# KiCad board AT386SX.kicad_pcb (continued)
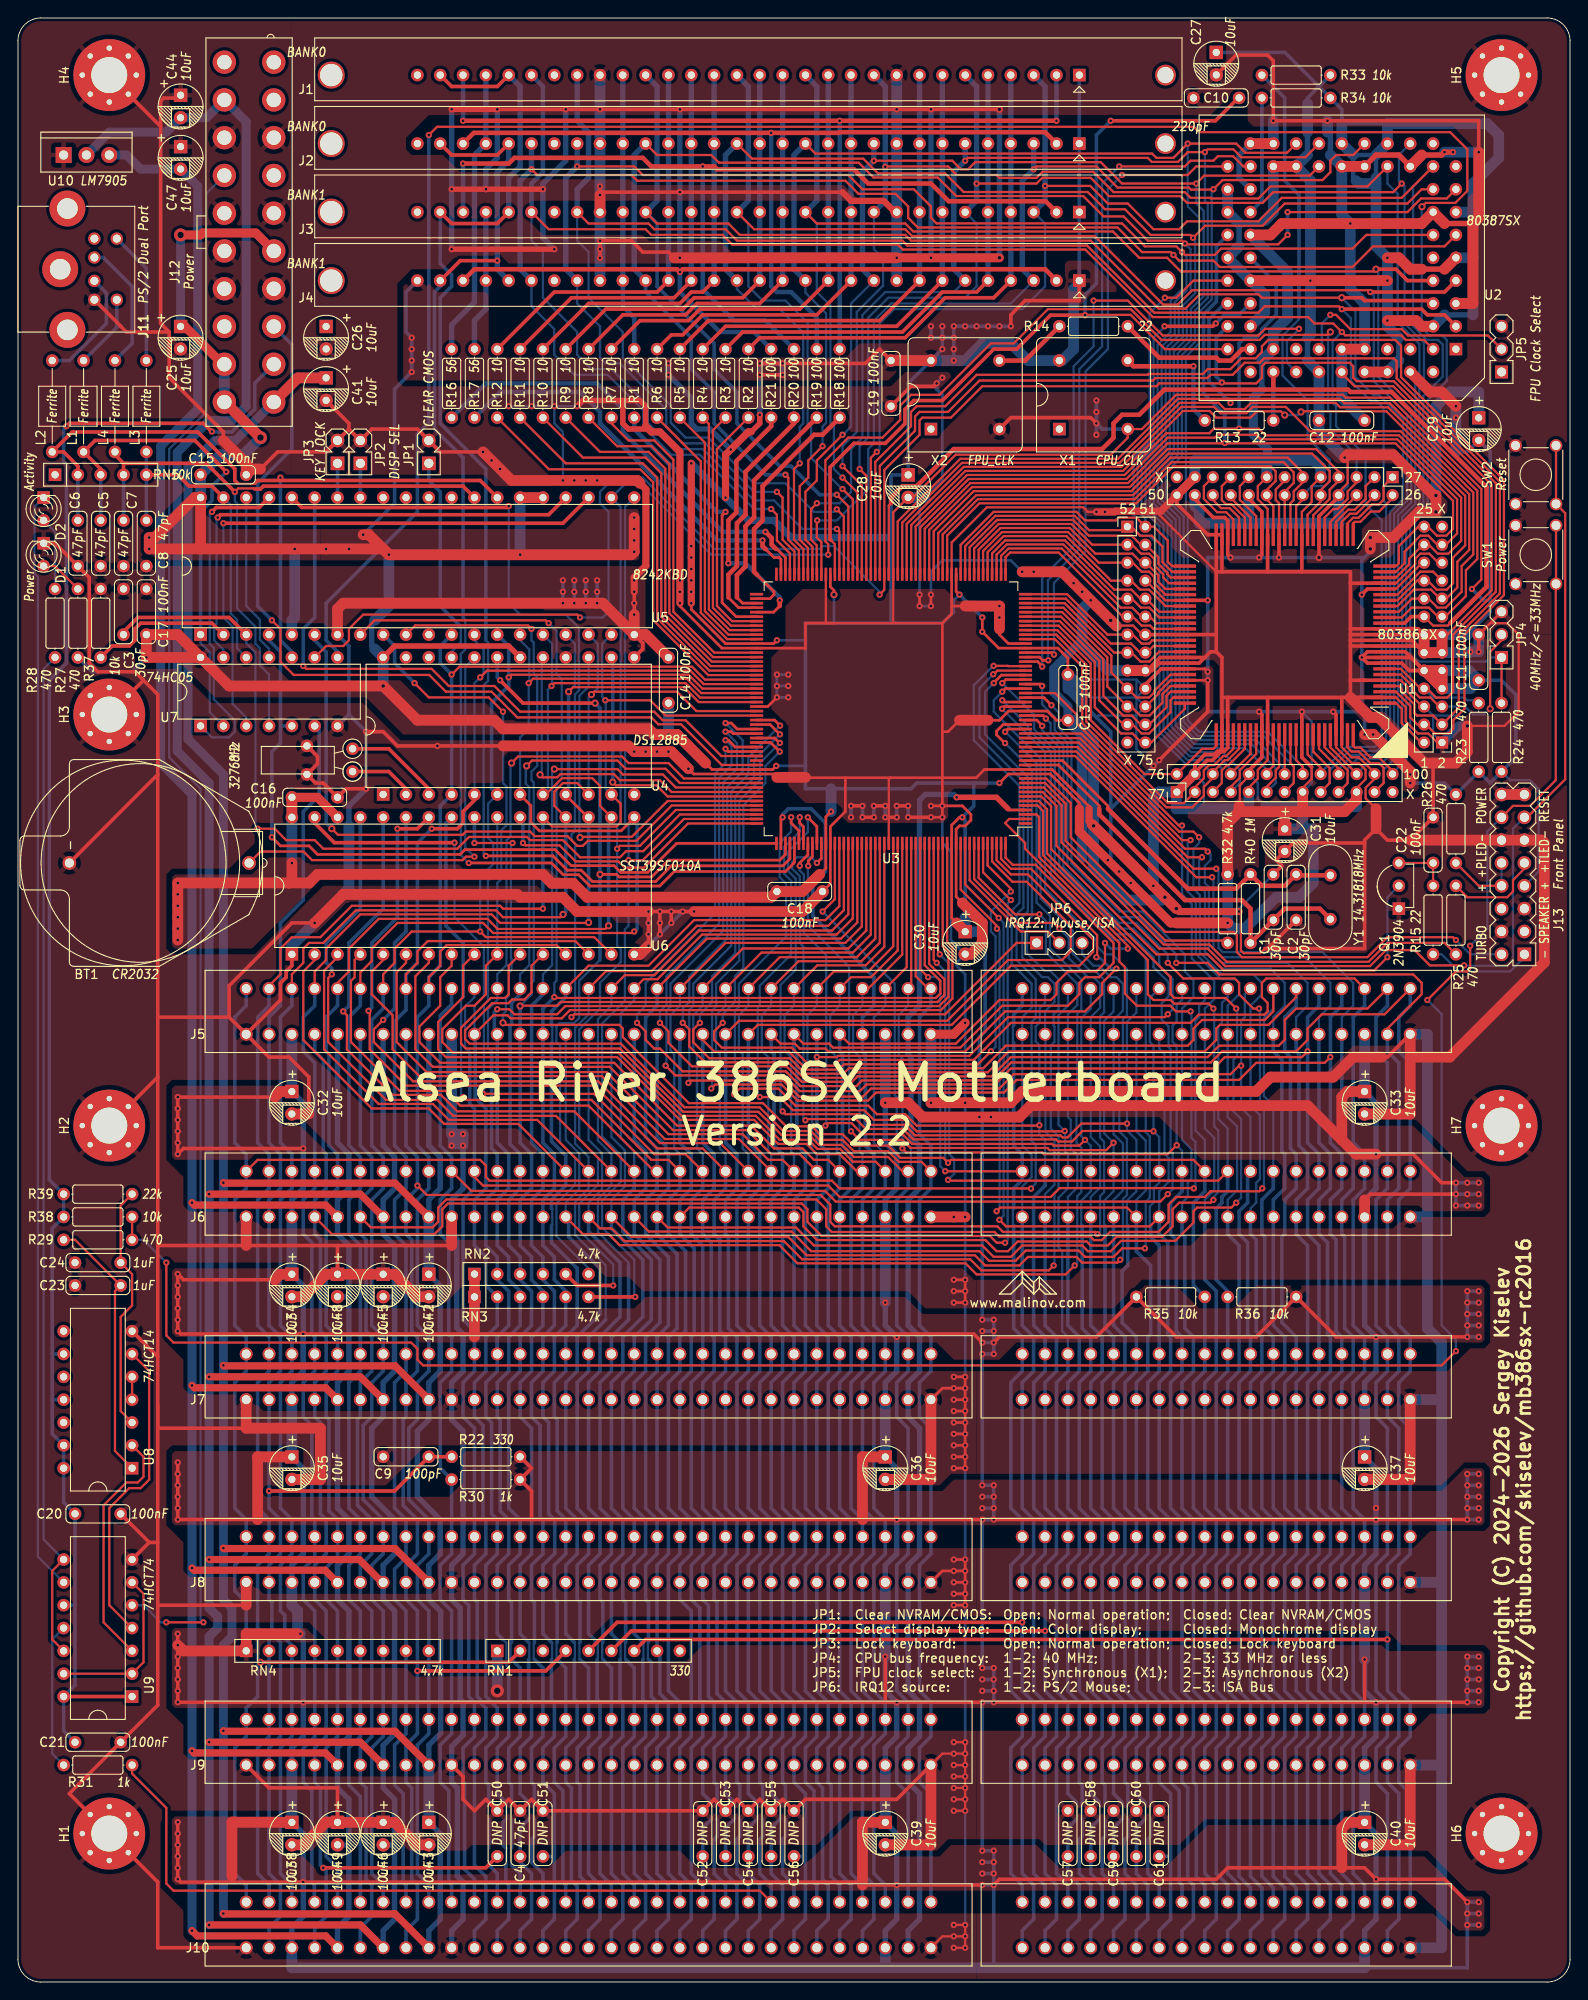
[diagram p0: board, top side]
## Routing (per net, layer and track width the routed paths; a pad name or vN(x,y) marks a point on that pad's centre or on a via; arc(x,y) is an arc through that point) (continued)
W/~{R}: length 110.1
  Top w0.25: U3.71 100.91,161.64 105.98,166.72 123.53,166.72 127.95,171.13 134.26,171.13 v1(134.3,171.17) 134.34,171.13 153.31,171.13 159.7,164.74 159.7,161.61 158.96,160.86 157.91,160.86 156.91,161.86 J14.26 155.83,161.86 153.67,159.7 153.67,157.8 153.35,157.48 U1.25
  Bottom w0.4: U2.41 133.37,193.06 133.37,186.92 131.95,185.49 131.95,176.66 134.3,174.31 v1(134.3,171.17)
~{0WS}: length 273.1
  Top w0.25: v1(120.13,83.19) 119.89,83.42 109.62,83.42 108.99,84.05 90.9,84.05 90.4,84.55 90.4,86.45 89.31,87.54 45.5,87.54 v1(44.45,88.58)
  Top w0.3: U3.31 109.88,143.86 v1(109.54,143.51)
  Top w0.4: RN1.4 58.74,34.61 v1(44.45,34.61)
  Bottom w0.25: v1(109.54,143.51) 109.54,143.51 108.58,142.56 108.58,141.29 113.8,136.08 113.8,120.52 117.38,116.93 117.38,114.39 119.38,112.39 119.94,112.39 120.88,111.46 120.88,107.86 120.42,107.41 120.42,93.89 120.88,93.44 120.88,87.86 120.42,87.4 120.42,83.48 v1(120.13,83.19)
  Bottom w0.4: J5.8 43.18,93.03 44.45,91.76 44.45,88.26 43.18,87 J6.8 43.18,83.19 43.81,82.55 43.81,72.39 44.45,71.75 44.45,67.94 43.18,66.68 J7.8 43.18,62.87 42.86,62.55 42.86,53.02 44.45,51.44 44.45,47.62 43.18,46.35 J8.8 43.18,42.54 44.45,41.28 44.45,27.62 43.18,26.35 J9.8 43.18,22.22 43.81,21.59 43.81,11.43 44.45,10.79 44.45,6.98 43.18,5.72 J10.8
~{ADS}: length 117.3
  Top w0.25: U1.16 153.99,151.76 155.08,152.86 157.02,152.86 158.02,151.86 J14.15 158.84,151.86 161.13,154.15 161.13,157.01 162.4,158.27 162.4,165.86 152.66,175.59 147.61,175.59 147.12,176.08 134.49,176.08 ; v1(134.94,175.62) 134.94,175.92 134.78,176.08 129.08,176.08 122.42,169.41 104.87,169.41 97.91,162.45 U3.77
  Bottom w0.4: v1(134.94,175.62) 132.55,178.01 132.55,184.93 134.3,186.69 U2.47
~{BHE}: length 97.3
  Top w0.25: U1.19 153.51,153.67 155.7,155.86 J14.20 156.88,155.86 157.88,154.86 158.99,154.86 159.7,155.57 159.7,158.43 161.05,159.78 161.05,165.3 153.87,172.48 143.79,172.48 141.09,175.18 137.4,175.18 136.71,174.49 133.8,174.49 133.11,175.18 129.45,175.18 122.79,168.51 105.24,168.51 98.91,162.18 U3.75
~{BIOS_CS}: length 32.2
  Top w0.25: U3.156 74.56,128.86 69.65,123.94 67.51,123.94 66.82,124.63 62.06,124.63 60.27,126.42 56.46,126.42 v1(56.2,126.68)
  Bottom w0.4: U6.22 56.2,129.22 56.2,126.68 v1(56.2,126.68)
~{BLE}: length 101.4
  Top w0.25: U1.17 153.67,152.4 155.13,153.86 J14.18 156.97,153.86 157.97,152.86 158.89,152.86 160.66,154.62 160.66,157.48 161.95,158.78 161.95,165.67 152.47,175.15 147.13,175.15 146.65,175.63 137.21,175.63 136.53,174.94 134.3,174.94 133.61,175.63 129.27,175.63 122.6,168.96 105.05,168.96 98.41,162.32 U3.76
~{CPU_BUSY}: length 61.3
  Top w0.25: U1.34 143.51,163.19 144.97,164.66 J15.10 144.97,165.93 145.97,166.93 145.97,168.04 144.01,169.99 128.08,169.99 123.9,165.82 106.36,165.82 101.91,161.37 U3.69
~{DACK0}: length 155.1
  Top w0.3: v1(115.01,142) 114.16,142.86 U3.29
  Bottom w0.25: v1(115.01,142) 115.82,141.2 115.82,139.49 117.24,138.07 117.24,124.41 122.58,119.06 125.09,119.06 129.86,114.3 129.86,112.39 130.81,111.44 130.81,109.54 129.54,108.27 J5.70 129.54,93.66 130.58,92.62 130.58,89.31 130.18,88.9 130.18,87.31 129.54,86.68 J6.70
  Bottom w0.4: J10.70 129.54,5.72 130.81,6.98 130.81,10.79 130.18,11.43 130.18,21.59 129.54,22.22 J9.70 129.54,26.03 130.81,27.31 130.81,31.12 129.54,32.38 J8.70 129.54,46.35 130.81,47.62 130.81,51.44 129.54,52.71 J7.70 129.54,66.68 130.81,67.94 130.81,71.75 129.86,72.71 129.86,82.87 129.54,83.19 J6.70
~{DACK1}: length 239.8
  Top w0.25: J6.17 68.26,82.87 85.72,82.87 87.76,80.83 106.49,80.83 107.63,79.69 111.44,79.69 112.4,80.64 117.79,80.64 118.43,80.01 122.35,80.01 v1(122.67,80.33)
  Top w0.3: U3.27 109.75,141.86 v1(109.51,141.61)
  Bottom w0.25: J5.17 66.04,93.98 67.54,92.48 67.54,88.49 66.04,86.99 J6.17 ; 66.99,37.78 67.06,37.71 67.06,35.95 66.99,35.88 ; v1(109.51,141.61) 114.3,136.82 114.3,121.6 120.01,115.89 120.01,115.25 120.97,114.3 121.76,114.3 123.42,112.65 123.42,107.54 122.97,107.09 122.97,103.6 122.56,103.19 122.56,94.62 123.42,93.76 123.42,87.54 122.96,87.09 122.96,80.62 v1(122.67,80.33)
  Bottom w0.4: J6.17 66.04,83.82 69.53,80.33 69.53,73.98 67.31,71.75 67.31,67.94 66.04,66.68 J7.17 66.04,52.71 67.31,51.44 67.31,47.62 66.04,46.35 J8.17 66.04,38.73 66.99,37.78 ; J10.17 66.04,5.72 67.31,6.98 67.31,10.79 66.04,12.06 J9.17 66.04,26.03 67.31,27.31 67.31,31.12 66.99,31.43 66.99,35.88
~{DACK2}: length 189.3
  Top w0.25: v1(127.95,107.63) 127.63,107.31 110.17,107.31 105.86,103 91.25,103 91.12,102.87 v1(88.9,102.87)
  Top w0.3: v1(113.98,139.7) 113.98,139.75 113.37,140.36 U3.24
  Bottom w0.25: v1(113.98,139.7) 113.98,139.22 115.89,137.32 115.89,123.82 122.55,117.16 124.14,117.16 127,114.3 127,113.03 128.49,111.54 128.49,108.17 v1(127.95,107.63)
  Bottom w0.4: J5.26 v1(88.9,102.87) 88.9,93.5 90.17,92.23 90.17,88.26 88.9,87 J6.26 88.9,73.03 90.17,71.75 90.17,67.94 88.9,66.68 J7.26 88.9,52.71 90.17,51.44 90.17,47.62 88.9,46.35 J8.26 88.9,32.38 90.17,31.12 90.17,27.31 88.9,26.03 J9.26 88.9,22.22 89.53,21.59 89.53,11.43 90.17,10.79 90.17,6.98 88.9,5.72 J10.26
~{DACK3}: length 234.9
  Top w0.25: v1(117.59,79.69) 116.6,78.7 106.68,78.7 105.45,79.93 86.76,79.93 84.73,81.96 66.95,81.96 65.72,83.19 62.86,83.19 J6.15
  Top w0.3: U3.22 110.15,139.36 v1(109.86,139.06)
  Bottom w0.25: J6.15 60.96,86.68 62.46,88.17 62.46,92.17 61.55,93.07 61.55,93.07 60.96,93.66 J5.15 ; v1(117.59,79.69) 117.88,79.99 117.88,87.4 118.34,87.86 118.34,92.8 117.79,93.34 117.79,100.33 117.88,100.42 117.88,107.72 118.34,108.18 118.34,111.5 114.84,114.99 114.84,118.59 113.35,120.08 113.35,135.57 109.86,139.06 v1(109.86,139.06) ; 61.91,35.88 61.98,35.95 61.98,37.71 61.91,37.78
  Bottom w0.4: 61.91,35.88 61.91,31.43 62.23,31.12 62.23,27.31 60.96,26.03 J9.15 60.96,22.22 61.59,21.59 61.59,11.27 62.23,10.64 62.23,6.98 60.96,5.72 J10.15 ; 61.91,37.78 60.96,38.73 J8.15 60.96,46.35 62.23,47.62 62.23,51.44 60.96,52.71 J7.15 60.96,66.68 62.23,67.94 62.23,71.75 64.77,74.29 64.77,79.38 61.28,82.87 61.28,84.77 J6.15
~{DACK5}: length 155.3
  Top w0.25: U3.20 118.18,138.36 129.54,127 v1(130.49,127)
  Bottom w0.25: v1(130.49,127) 130.18,126.68 130.18,121.28 131.07,120.39 131.07,114.35 133.89,111.53 135.48,111.53 135.89,111.12 135.89,109.86 134.62,108.58 J5.72 134.62,96.2 135.66,95.16 135.66,88.04 134.62,87 J6.72
  Bottom w0.4: J10.72 134.62,5.72 135.89,6.98 135.89,10.79 134.62,12.06 J9.72 134.62,26.03 135.89,27.31 135.89,31.12 134.62,32.38 J8.72 134.62,46.35 135.89,47.62 135.89,51.44 134.62,52.71 J7.72 134.62,66.68 135.89,67.94 135.89,81.91 134.62,83.19 J6.72
~{DACK6}: length 159
  Top w0.25: v1(131.76,125.09) 130.17,125.09 117.91,137.36 U3.18
  Bottom w0.25: J5.74 139.7,107.31 140.97,108.58 140.97,111.12 139.38,112.71 133.98,112.71 132.08,114.62 132.08,121.28 131.44,121.92 131.44,124.78 v1(131.76,125.09)
  Bottom w0.4: J10.74 139.7,5.72 140.97,6.98 140.97,10.48 139.7,11.75 J9.74 139.7,26.03 140.97,27.31 140.97,31.12 139.7,32.38 J8.74 139.7,46.35 140.97,47.62 140.97,51.44 139.7,52.71 J7.74 139.7,66.68 140.97,67.94 140.97,71.75 139.7,73.03 J6.74 139.7,87 140.97,88.26 140.97,92.07 140.65,92.39 140.65,102.55 139.7,103.5 J5.74
~{DACK7}: length 162
  Top w0.25: v1(132.89,122.87) 131.12,122.87 117.64,136.36 U3.16
  Bottom w0.25: J5.76 144.78,107.31 146.05,108.58 146.05,111.12 143.19,113.98 133.99,113.98 133.03,114.94 133.03,122.73 v1(132.89,122.87)
  Bottom w0.4: J10.76 144.78,5.72 146.05,6.98 146.05,10.79 144.78,12.06 J9.76 144.78,26.03 146.05,27.31 146.05,31.12 144.78,32.38 J8.76 144.78,46.35 146.05,47.62 146.05,51.44 144.78,52.71 J7.76 144.78,66.68 146.05,67.94 146.05,71.75 145.73,72.07 145.73,82.23 144.78,83.19 J6.76 144.78,87 146.05,88.26 146.05,92.07 144.78,93.34 J5.76
~{FPU_BUSY}: length 76.5
  Top w0.25: U2.36 136.37,201.93 135.23,203.07 133.54,203.07 133.03,202.56 130.49,202.56 129.86,201.93 v1(122.56,201.93)
  Top w0.3: U3.38 113.69,147.36 114.04,147 v1(114.66,147)
  Bottom w0.25: v1(114.66,147) 114.62,147.04 114.62,155.89 118.11,159.38 118.11,179.39 120.65,181.93 120.65,200.03 v1(122.56,201.93)
~{FPU_ERROR}: length 71.9
  Top w0.25: U2.35 131.13,201.93 130.18,200.98 v1(122.87,200.98)
  Top w0.3: U3.39 115.07,147.86 v1(115.29,147.64)
  Bottom w0.25: v1(115.29,147.64) 115.29,155.61 118.81,159.13 118.81,179.13 121.28,181.61 121.28,199.39 v1(122.87,200.98)
~{IO_CH_CHK}: length 292.9
  Top w0.25: v1(112.73,88.25) 112.71,88.26 91.44,88.26 90.58,89.13 52.48,89.13 52.07,89.53 52.07,90.81 51.44,91.44 26.67,91.44 J6.32 ; U3.35 108.99,145.86 108.58,145.44 v1(108.54,145.44)
  Top w0.4: v2(26.99,35.56) 54.61,35.56 RN1.2
  Bottom w0.25: v1(108.54,145.44) 107,143.9 107,138.43 111.89,133.54 111.89,119.51 111.12,118.75 111.12,113.66 113.26,111.53 113.26,107.22 112.8,106.77 112.8,93.57 113.26,93.12 113.26,88.81 112.71,88.26
  Bottom w0.4: J5.32 25.4,108.58 24.13,107.31 24.13,93.34 25.4,92.07 J6.32 25.4,88.26 24.13,87 24.13,73.03 25.4,71.75 J7.32 25.4,67.94 24.13,66.68 24.13,52.71 25.4,51.44 J8.32 25.4,47.62 24.13,46.35 24.13,43.5 25.4,42.23 25.4,39.37 26.67,38.1 26.67,35.88 v2(26.99,35.56) 26.67,35.24 26.67,31.75 25.4,30.48 J9.32 25.4,27.31 24.13,26.03 24.13,12.06 25.4,10.79 J10.32
~{IOCS16}: length 203.8
  Top w0.3: v1(108.58,144.46) 108.58,144.5 109.44,145.36 U3.34
  Top w0.4: v1(114.3,39.05) 68.26,39.05 RN1.6
  Bottom w0.25: J6.64 114.3,87.63 115.34,88.67 115.34,93.57 114.34,94.58 114.34,105.37 J5.64 114.3,107.95 115.34,108.99 115.34,111.03 114.62,111.76 113.98,111.76 111.76,113.98 111.76,118.43 112.4,119.06 112.4,133.99 107.63,138.75 107.63,143.51 v1(108.58,144.46)
  Bottom w0.4: J6.64 114.3,73.03 115.57,71.75 115.57,67.94 114.3,66.68 J7.64 114.3,52.71 115.57,51.44 115.57,47.62 114.3,46.35 J8.64 114.3,32.38 115.57,31.12 115.57,27.31 114.3,26.03 J9.64 114.3,12.06 115.57,10.79 115.57,6.98 114.3,5.72 J10.64
~{IOR}: length 238.8
  Top w0.25: U5.8 39.69,151.45 58.74,151.45 v1(59.05,151.13) ; U3.190 100.91,113.09 101.56,112.44 101.56,112.44 102.64,111.35 102.64,109.95 102.14,109.45 59.78,109.45 v1(59.69,109.54)
  Bottom w0.25: 59.37,35.88 59.44,35.95 59.44,37.71 59.37,37.78 ; v1(59.05,151.13) 59.94,150.25 59.94,145.49 60.51,144.91 60.51,133.85 59.94,133.28 59.94,111.37 59.69,111.12 v1(59.69,109.54)
  Bottom w0.4: C51.1 59.69,13.97 ; 59.69,13.97 59.69,20.96 58.42,22.22 J9.14 58.42,26.03 59.69,27.31 59.69,31.12 59.37,31.43 59.37,35.88 ; 59.69,13.97 59.69,6.98 58.42,5.72 J10.14 ; v1(59.69,109.54) 58.42,108.27 J5.14 58.42,93.34 59.69,92.07 59.69,88.26 58.42,87 J6.14 58.42,81.91 59.69,80.65 59.69,78.1 60.96,76.84 RN3.5 60.96,73.03 59.69,71.75 59.69,67.94 58.42,66.68 J7.14 58.42,62.87 59.05,62.23 59.05,52.07 59.73,51.39 59.73,47.67 58.42,46.35 J8.14 58.42,38.73 59.37,37.78
~{IOW}: length 235
  Top w0.25: v2(55.88,108.55) 55.91,108.58 60.01,108.58 60.42,109 102.33,109 103.09,109.76 103.09,111.54 101.75,112.88 101.75,112.88 101.41,113.23 U3.191 ; U5.10 44.2,150.88 56.76,150.88 v1(57.15,150.5)
  Bottom w0.25: 56.83,20 56.9,19.93 56.9,18.17 56.83,18.1 ; 56.83,37.78 56.9,37.71 56.9,35.95 56.83,35.88 ; v1(57.15,150.5) 57.15,149.22 57.4,148.98 57.4,145.49 57.78,145.1 57.78,135.25 57.15,134.62 57.15,133.67 57.4,133.42 57.4,111.37 57.15,111.12 57.15,109.82 v2(55.88,108.55)
  Bottom w0.4: J10.13 55.88,5.72 57.15,6.98 57.15,12.06 55.88,13.34 C4.1 55.88,17.15 56.83,18.1 ; v2(55.88,108.55) J5.13 55.88,93.34 57.15,92.07 57.15,88.26 55.88,87 J6.13 55.88,81.91 57.15,80.65 57.15,78.1 58.42,76.84 RN3.4 58.42,73.03 57.15,71.75 57.15,67.94 55.88,66.68 J7.13 55.88,62.87 57.15,61.59 57.15,47.62 55.88,46.35 J8.13 55.88,38.73 56.83,37.78 ; 56.83,35.88 56.83,31.43 57.15,31.12 57.15,27.31 55.88,26.03 J9.13 55.88,20.96 56.83,20
~{KBC_CS}: length 72.6
  Top w0.25: v2(34.92,128.27) 35.6,127.6 49.49,127.6 49.85,127.95 56.99,127.95 57.49,127.45 61.15,127.45 62.23,126.36 62.86,126.36 63.42,126.92 68.82,126.92 72.75,130.86 U3.152
  Bottom w0.4: v2(34.92,128.27) 34.29,128.91 34.29,147.95 33.02,149.22 U5.6
~{KBC_GA20}: length 247
  Top w0.25: v1(66.67,126.05) 66.99,126.36 69.22,126.36 73.2,130.36 U3.153 ; U1.31 145.41,162.88 146.37,163.83 146.84,163.83 147.97,164.96 147.97,165.78 148.97,166.78 J15.5 ; v1(90.17,158.75) 90.17,159.91 89.85,160.23 89.85,169.22 92.04,171.41 92.39,171.77 96.2,171.77 98.18,173.74 98.18,175.33 99.38,176.53 102.55,176.53 108.27,182.25 110.81,182.25 112.43,183.87 112.43,183.87 114.62,186.06 123.82,186.06 127.25,182.63 138.18,182.63 138.75,183.2 145.73,183.2 v2(146.05,183.51)
  Top w0.4: RN2.5 62.23,77.47 v1(66.24,77.47)
  Bottom w0.25: J15.5 148.97,169.8 146.05,172.72 146.05,174.62 145.8,174.87 145.8,183.27 v2(146.05,183.51) ; v1(90.17,158.75) 77.15,158.75 69.22,166.69 67.63,166.69 U5.22 67.06,164.08 67.06,128.98 66.67,128.59 v1(66.67,126.05) 66.67,115.25 67.08,114.84 67.08,113.44 64.77,111.12 64.77,108.26 62.46,105.95 62.46,93.75 64.54,91.67 64.54,88.67 62.46,86.58 62.46,83.59 66.24,79.81 v1(66.24,77.47)
~{KBC_RC}: length 115.3
  Top w0.25: v1(67.94,124.78) 69.53,124.78 74.11,129.36 U3.155
  Top w0.4: RN3.6 v1(68.69,76.2)
  Bottom w0.25: U5.21 67.56,164.08 67.56,128.98 67.94,128.59 v1(67.94,124.78) 67.94,117.47 67.54,117.07 67.54,109.13 65,106.59 65,94.07 67.08,91.98 67.08,88.99 65,86.9 65,83.91 68.58,80.33 68.58,76.31 v1(68.69,76.2)
~{MCAS0}: length 27.2
  Top w0.3: U3.106 83.69,153.86 84.14,154.31 84.14,154.62 82.23,156.53
  Top w0.5: 82.23,156.53 81.91,156.84 81.91,161.61 82.87,162.56 82.87,166.37 88.58,172.08 89.53,172.08 R18.1
~{MCAS1}: length 26.1
  Top w0.3: 80.01,153.99 80.64,153.36 U3.107
  Top w0.5: R19.1 81.91,167 81.91,162.88 80.96,161.93 80.96,157.44 80.01,156.49 80.01,153.99
~{MCAS2}: length 26.6
  Top w0.3: 79.06,153.99 80.19,152.86 U3.108
  Top w0.5: 79.06,153.99 79.06,156.53 80.01,157.48 80.01,162.24 80.96,163.19 80.96,167.96 86.36,173.35 R20.1
~{MCAS3}: length 29.3
  Top w0.3: 84.77,153.03 84.09,152.36 U3.109
  Top w0.5: v1(84.77,153.67) 84.77,153.03 ; v1(79.06,157.8) 79.06,162.56 79.95,163.45 79.95,169.16 83.82,173.04 R21.1
  Bottom w0.5: v1(84.77,153.67) 84.77,153.99 80.96,157.8 v1(79.06,157.8)
~{MEMCS16}: length 205.5
  Top w0.25: v1(108.57,146.38) 110.16,146.38 110.19,146.36 U3.36
  Top w0.4: v1(111.76,40) 66.67,40 RN1.5
  Bottom w0.25: v1(108.57,146.38) 108.3,146.12 108.26,146.12 106.36,144.22 106.36,138.11 111.44,133.03 111.44,120.02 110.58,119.16 110.58,113.25 112.8,111.03 112.8,108.36 111.76,107.31 J5.63 111.76,93.03 112.8,91.98 112.8,89.52 111.76,88.48 J6.63
  Bottom w0.4: J6.63 111.76,73.03 113.03,71.75 113.03,67.94 111.76,66.68 J7.63 111.76,52.71 113.03,51.44 113.03,47.62 111.76,46.35 J8.63 111.76,32.38 113.03,31.12 113.03,27.31 111.76,26.03 J9.63 111.76,12.06 113.03,10.79 113.03,6.98 111.76,5.72 J10.63
~{MEMR}: length 256.2
  Top w0.25: J6.89 130.81,91.44 103.82,91.44 v1(103.5,91.12) 102.96,91.66 98.2,91.66 96.84,93.03 93.03,93.03 91.76,94.3 89.22,94.3 88.35,95.17 85.49,95.17 82.91,97.75 74.65,97.75 67.31,105.09 67.31,106.04 66.9,106.45 54.2,106.45 v2(53.97,106.68) ; v1(55.04,126.68) v1(50.8,126.68) ; v1(102.24,113.35) 101.91,113.68 U3.192
  Bottom w0.25: v2(53.97,106.68) 53.97,107.63 54.29,107.95 54.29,109.38 54.61,109.7 54.61,112.24 54.93,112.55 54.93,113.81 54.86,113.88 54.86,126.5 v1(55.04,126.68) ; v1(103.5,91.12) 103.19,91.44 103.19,112.4 v1(102.24,113.35) ; J5.89 132.08,109.22 131.44,108.58 131.44,107.31 131.04,106.91 131.04,94.71 132.08,93.66 J6.89
  Bottom w0.4: U6.24 v1(50.8,126.68) ; J10.89 132.08,10.79 131.13,11.75 131.13,21.91 130.81,22.22 130.81,26.03 132.08,27.31 J9.89 132.08,31.12 130.81,32.38 130.81,46.35 132.08,47.62 J8.89 132.08,51.44 130.81,52.71 130.81,66.68 132.08,67.94 J7.89 R35.2 130.81,77.47 130.81,86.68 132.08,87.95 J6.89
~{MEMW}: length 176.7
  Top w0.25: J6.90 133.58,89.13 103.6,89.13 v1(103.5,89.22) ; v1(102.58,114.3) 102.41,114.47 U3.193
  Bottom w0.25: J6.90 134.62,94.93 133.57,95.98 133.57,106.27 133.98,106.68 133.98,108.9 134.62,109.54 J5.90 ; v1(102.58,114.3) 103.64,113.24 103.64,92.07 104.18,91.53 104.18,89.89 v1(103.5,89.22)
  Bottom w0.4: J10.90 134.62,10.79 133.35,12.06 133.35,26.03 134.62,27.31 J9.90 134.62,31.12 133.35,32.38 133.35,46.35 134.62,47.62 J8.90 134.62,51.44 133.35,52.71 133.35,66.68 134.62,67.94 J7.90 R36.2 134.62,76.84 133.35,78.1 133.35,86.04 133.98,86.68 133.98,87.31 134.62,87.95 J6.90
~{MRAS01}: length 50.4
  Top w0.3: U3.102 85.41,158.44 84.45,159.38
  Top w0.5: 84.35,159.38 83.88,159.86 83.88,160.59 v1(83.19,161.29)
  Bottom w0.5: v1(83.19,161.29) 78.42,161.29 67.31,172.4 67.31,174.94 64.45,177.8 52.07,177.8 R16.1
~{MRAS23}: length 45.8
  Top w0.3: U3.103 84.91,158.23 84.7,158.43 84.14,158.43 83.19,159.38
  Top w0.5: 83.19,159.38 83.18,159.38 82.86,159.7 v1(82.86,160.34)
  Bottom w0.5: R17.1 53.66,176.85 62.55,176.85 64.77,174.62 64.77,173.35 77.79,160.34 v1(82.86,160.34)
~{MWE}: length 30
  Top w0.3: v1(78.74,163.51) 78.36,163.13 78.36,153.42 79.92,151.86 U3.110
  Bottom w0.5: v1(78.74,163.51) 77.79,163.51 68.58,172.72 R1.1
~{READY}: length 230.3
  Top w0.25: v1(95.89,154.31) 96.41,154.82 U3.80 96.41,168.16 100.33,172.08 100.33,173.67 100.65,173.99 103.82,173.99 107.31,177.48 126.68,177.48 127,177.8 133.88,177.8 v1(133.98,177.9) 134.09,177.8 137.79,177.8 138.43,178.44 138.43,179.7 138.82,180.09 148.2,180.09 148.59,179.7 148.59,178.44 148.98,178.05 153.1,178.05 164.47,166.69 164.47,154.62 159.7,149.86 159.7,143.51 159.05,142.86 157.81,142.86 156.81,143.86 J14.8 156.07,143.86 153.88,146.05 U1.7 ; v1(62.55,151.76) 62.23,152.08 38.42,152.08 36.83,150.5 36.83,149.22 36.2,148.59 34.29,148.59 U7.9
  Bottom w0.25: v1(62.55,151.76) 65.09,151.76 65.72,152.4 65.72,163.51 64.77,164.47 64.77,165.74 66.36,167.32 69.53,167.32 77.47,159.38 89.22,159.38 89.53,159.7 90.8,159.7 95.89,154.62 v1(95.89,154.31) ; 162.56,142.56 161.29,142.56 160.99,142.86 157.48,142.86 J14.8
  Bottom w0.4: U2.49 133.35,182.88 133.35,178.54 v1(133.98,177.9)
~{REFRESH}: length 237.1
  Top w0.25: U3.6 113.6,131.36 114.53,130.43 114.53,125.51 128.27,111.76 128.27,109.86 128.68,109.45 134.39,109.45 v1(135.57,108.27) ; v1(135.57,86.68) 135.03,86.13 131.22,86.13 130.81,85.72 130.81,84.46 128.79,82.43 122.76,82.43 121.6,81.28 119.06,81.28 118.43,81.91 111.76,81.91 110.5,80.66 108.57,80.66 107.31,81.91 88.58,81.91 86.58,83.91 72.3,83.91 J6.19
  Bottom w0.25: v1(135.57,108.27) 135.66,108.18 135.66,102.96 135.25,102.55 135.25,96.84 136.12,95.98 136.12,87.22 v1(135.57,86.68)
  Bottom w0.4: J10.19 71.12,5.72 72.39,6.98 72.39,10.79 71.12,12.06 J9.19 71.12,26.03 72.39,27.31 72.39,31.12 71.44,32.07 71.44,36.51 RN1.8 J8.19 71.12,46.35 72.39,47.62 72.39,51.44 71.12,52.71 J7.19 71.12,66.68 72.39,67.94 72.39,71.75 73.34,72.71 73.34,80.96 71.12,83.19 J6.19 71.12,87 72.39,88.26 72.39,92.07 72.07,92.39 72.07,93.03 71.12,93.98 J5.19
~{RESET}: length 84.3
  Top w0.3: v1(28.26,127.32) 29.21,126.36 32.38,126.36 33.34,125.41 49.21,125.41 49.74,125.94 59.77,125.94 61.56,124.16 66.34,124.16 67.09,123.41 70.07,123.41 73.3,126.64 U3.157
  Bottom w0.4: 29.21,139.7 29.21,137.8 28.26,136.84 v1(28.26,127.32) ; 29.21,139.7 U7.5 ; 29.21,139.7 29.21,147.95 27.94,149.22 U5.4
~{RTC_IRQ8}: length 107.2
  Top w0.3: v2(64.77,123.19) 66.6,123.19 66.88,122.91 70.52,122.91 72.39,124.78 84.77,124.78 85.41,125.41 U3.159
  Top w0.4: v1(53.66,144.78) 56.2,142.24 v2(64.22,142.24)
  Bottom w0.25: 64.77,113.66 62.45,111.35 62.45,107.22 61.88,106.64 60.28,106.64 59.92,106.27 59.92,104.55 60.33,104.14 60.33,93.34 62,91.67 62,88.67 59.92,86.59 59.92,82.96 63.5,79.38 RN2.6
  Bottom w0.4: U4.19 53.34,145.1 v1(53.66,144.78) ; v2(64.22,142.24) 64.77,141.69 v2(64.77,123.19) 64.77,113.66
~{SBHE}: length 153.2
  Top w0.25: J6.81 v1(103.19,90.17) ; U3.189 100.41,112.64 v1(101.28,111.76)
  Bottom w0.25: 110.81,86.04 110.72,85.95 110.72,84.23 110.81,84.14 ; 110.81,106.36 110.72,106.27 110.72,104.55 110.81,104.46 ; v1(101.28,111.76) 102.23,111.76 102.64,111.35 102.64,90.71 v1(103.19,90.17)
  Bottom w0.4: 110.81,106.36 110.81,107.63 111.76,108.58 J5.81 ; 110.81,86.04 110.81,88.26 111.76,89.22 J6.81 111.76,92.07 110.81,93.03 110.81,104.46 ; J10.81 111.76,10.79 110.49,12.06 110.49,26.03 111.76,27.31 J9.81 111.76,31.12 110.49,32.38 110.49,46.35 111.76,47.62 J8.81 111.76,51.44 110.49,52.71 110.49,66.68 111.76,67.94 J7.81 111.76,71.75 110.81,72.71 110.81,84.14
~{SMEMR}: length 179.9
  Top w0.25: U3.194 102.91,115.22 103.54,114.58 103.54,109.57 102.52,108.55 60.92,108.55 60.01,107.63 55.25,107.63 54.69,108.19 v1(53.34,108.19)
  Bottom w0.25: 54.61,34.97 54.36,35.22 54.36,37.71 53.97,38.1 ; 54.29,20 54.36,19.93 54.36,18.17 54.29,18.1 ; 54.29,14.92 54.36,14.85 54.36,13.09 54.29,13.02
  Bottom w0.4: 54.29,20 53.34,20.96 J9.12 53.34,26.03 54.61,27.31 54.61,34.97 ; 54.29,13.02 54.29,11.11 54.61,10.79 54.61,6.98 53.34,5.72 J10.12 ; v1(53.34,108.19) 53.02,107.87 53.02,105.73 J5.12 53.34,93.34 54.61,92.07 54.61,88.26 53.34,87 J6.12 53.34,81.91 54.61,80.65 54.61,78.1 55.88,76.84 RN3.3 55.88,73.03 54.61,71.75 54.61,67.94 53.34,66.68 J7.12 53.34,62.87 53.66,62.55 53.66,52.39 54.61,51.44 54.61,47.62 53.34,46.35 J8.12 53.34,38.73 53.97,38.1 ; 54.29,18.1 53.97,17.78 53.97,15.24 54.29,14.92
~{SMEMW}: length 221.1
  Top w0.25: J5.11 52.91,107.52 54.49,107.52 54.82,107.18 60.51,107.18 61.42,108.1 102.7,108.1 103.99,109.39 103.99,115.08 103.41,115.67 U3.195